# KiCad board Sydney-live-rail.kicad_pcb (continued)
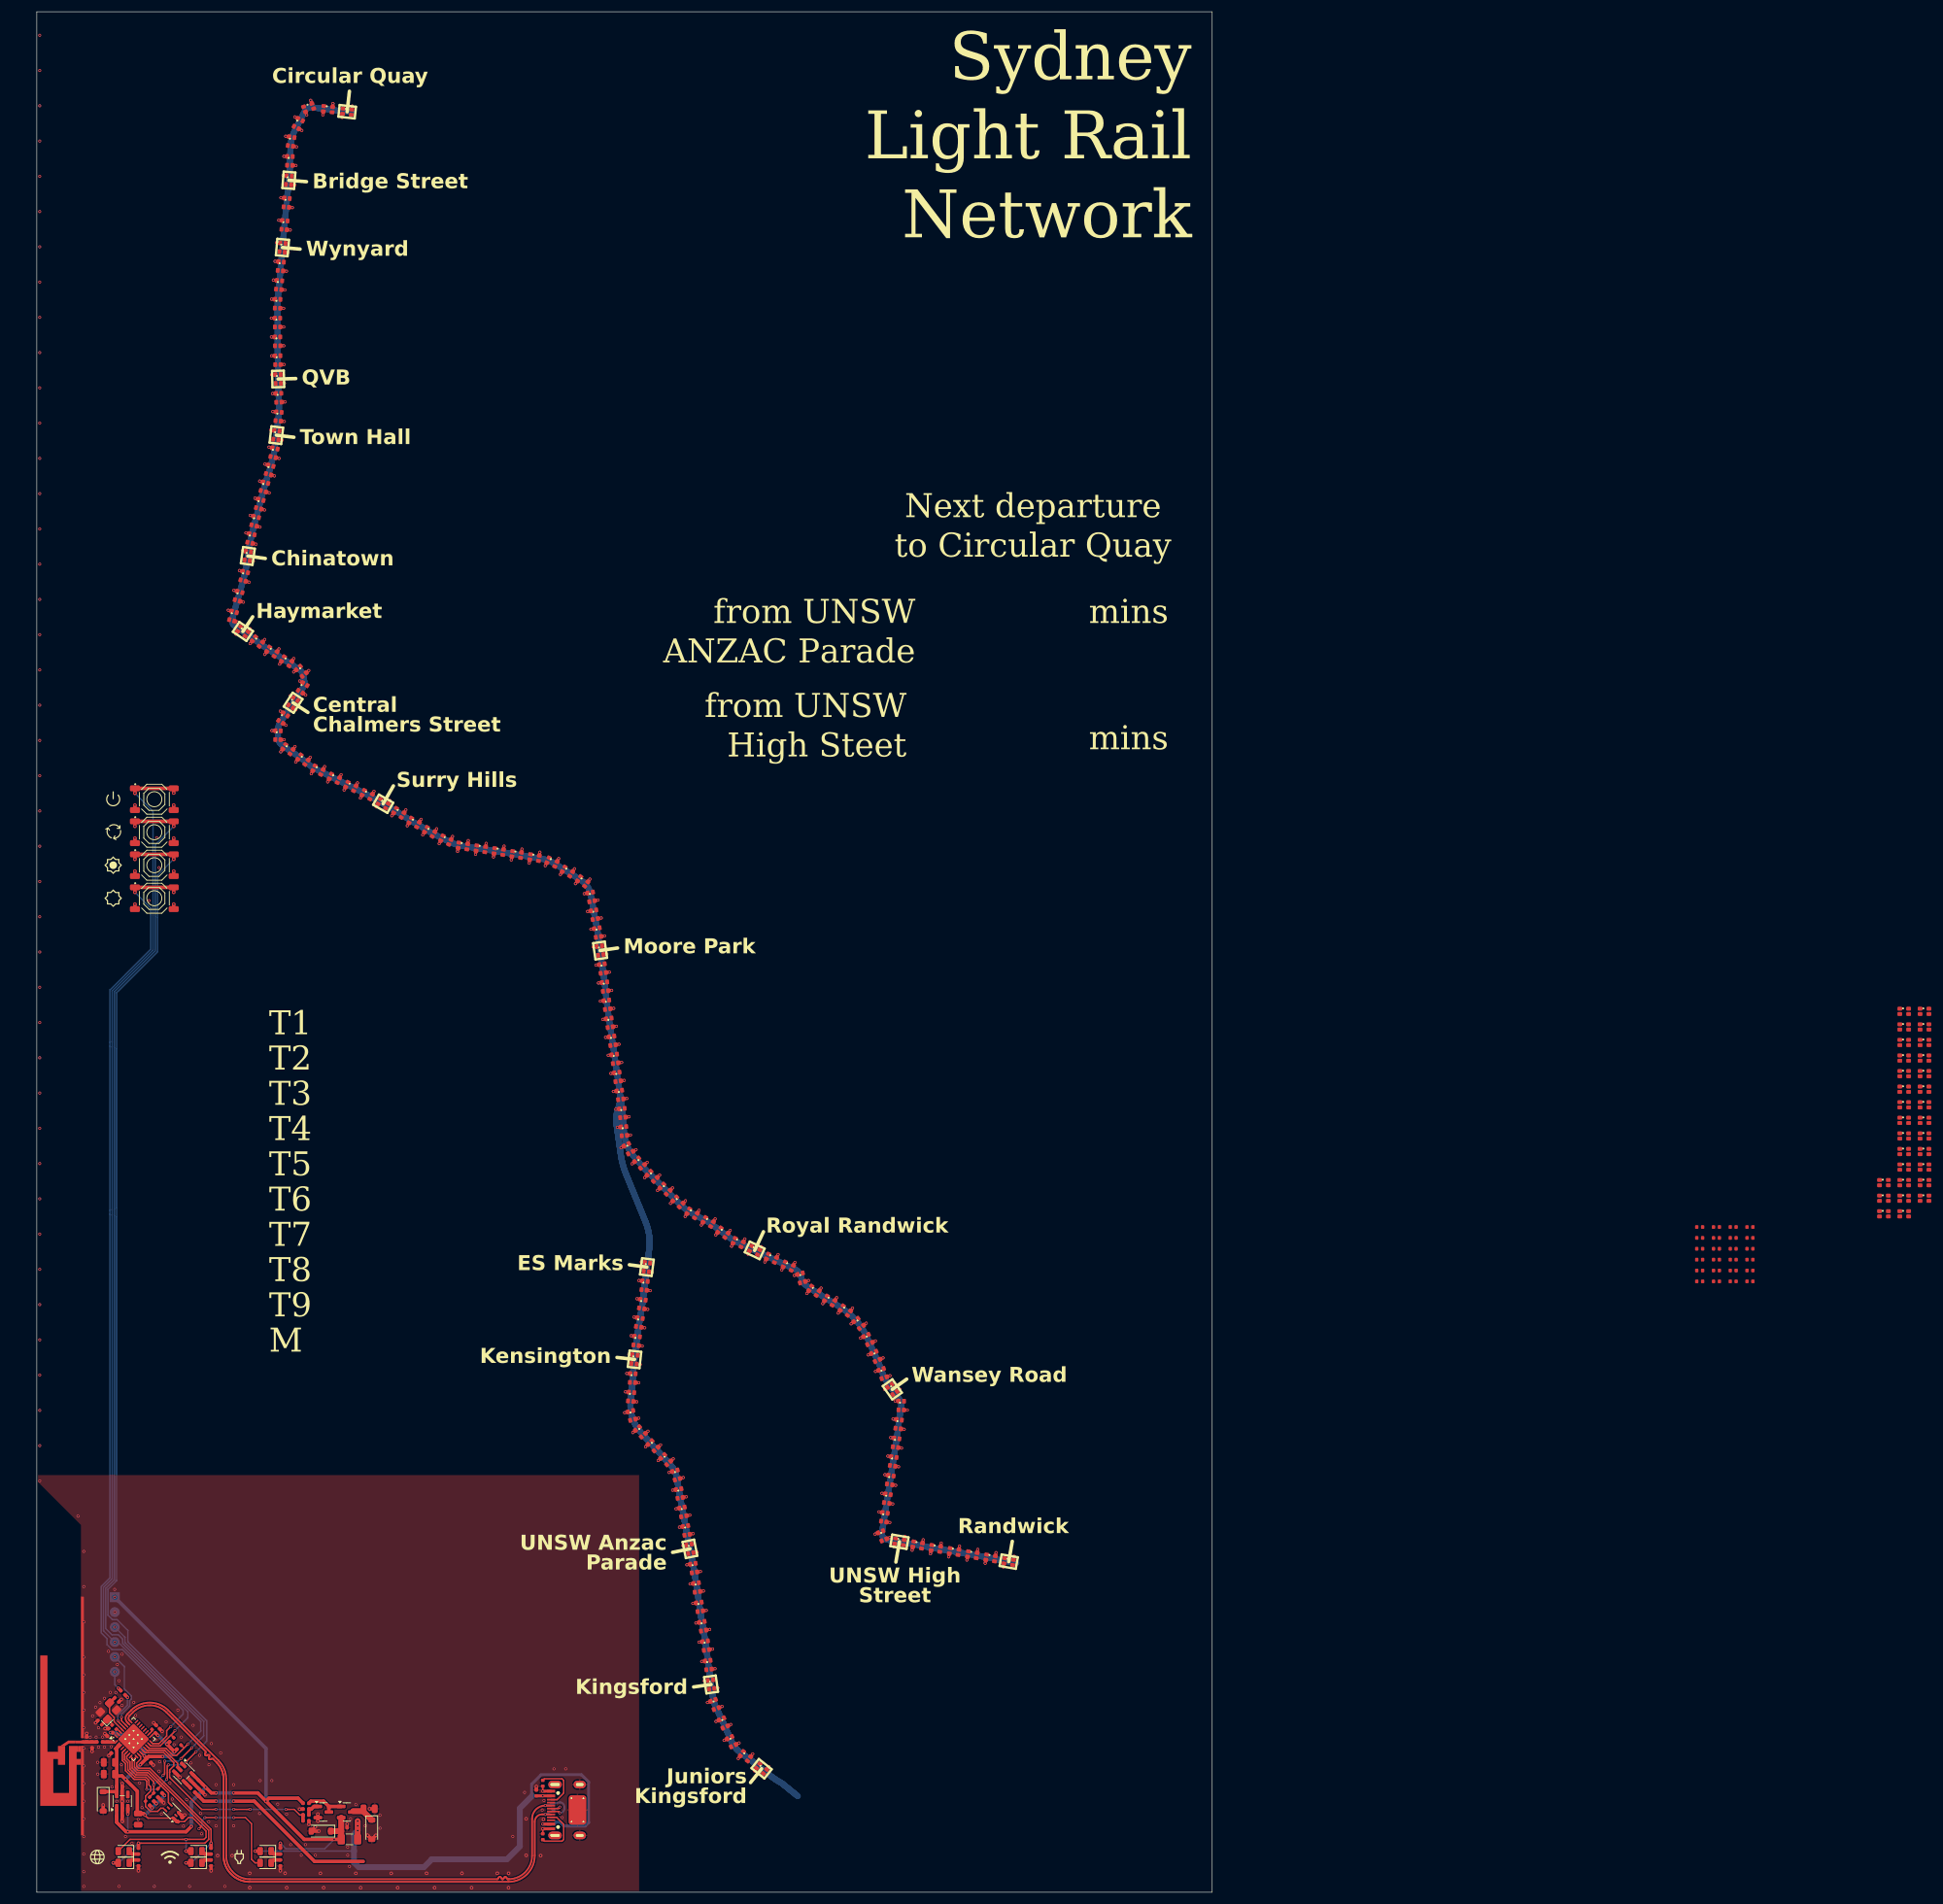
[diagram p0: board, top side]
## Placement (name value [footprint] x y rotation side) (continued)
D258  XL-1615RGBC-WS2812B-S  [LED-SMD_4P-L1.6-W1.5_XL-1615RGBC-WS2812B#3]  321.2 139.3 0 top
D259  XL-1615RGBC-WS2812B-S  [LED-SMD_4P-L1.6-W1.5_XL-1615RGBC-WS2812B#3]  321.2 136.65 0 top
D260  XL-1615RGBC-WS2812B-S  [LED-SMD_4P-L1.6-W1.5_XL-1615RGBC-WS2812B#3]  321.2 134 0 top
D261  XL-1615RGBC-WS2812B-S  [LED-SMD_4P-L1.6-W1.5_XL-1615RGBC-WS2812B#3]  321.2 131.35 0 top
D262  XL-1615RGBC-WS2812B-S  [LED-SMD_4P-L1.6-W1.5_XL-1615RGBC-WS2812B#3]  321.2 128.7 0 top
D263  XL-1615RGBC-WS2812B-S  [LED-SMD_4P-L1.6-W1.5_XL-1615RGBC-WS2812B#3]  321.2 126.05 0 top
D264  XL-1615RGBC-WS2812B-S  [LED-SMD_4P-L1.6-W1.5_XL-1615RGBC-WS2812B#3]  321.2 123.4 0 top
D265  XL-1615RGBC-WS2812B-S  [LED-SMD_4P-L1.6-W1.5_XL-1615RGBC-WS2812B#3]  321.2 120.75 0 top
D266  XL-1615RGBC-WS2812B-S  [LED-SMD_4P-L1.6-W1.5_XL-1615RGBC-WS2812B#3]  321.2 118.1 0 top
F1  Polyfuse, 2A  [Fuse_1206_3216Metric]  53.2 9 180 top
G***  LOGO  [Mode_Off_ON]  13 186 0 top
G***#2  LOGO  [Brightness_0]  13 169.15 0 top
G***#3  LOGO  [Brightness_7]  13 174.77 0 top
G***#4  -  [LOGO]  13.11 180.51 0 top
G***#5  LOGO  [Power]  34.44 6 0 top
G***#6  -  [LOGO]  10.3 6 0 top
G***#7  LOGO  [WiFi]  22.66 6 0 top
G***#8  -  [LOGO]  13.92 5.88 180 bottom
G***#9  -  [LOGO]  26.76 6 180 bottom
G***#10  LOGO  [Power]  89 14 180 bottom
G***#11  -  [LOGO]  66.89 5.92 180 bottom
G***#12  -  [LOGO]  92 14 0 bottom
G***#13  -  [LOGO]  38.56 6.19 180 bottom
J1  -  [Prog Connector]  13.27 50.2 0 top
L1  2.7nH  [L_0402]  10.7 25.57 180 top
L5  15nH,300mA  [L_0402]  13.17 28.1 315 top
Q1  HL3415A  [Q_SOT-23]  52.74 13.65 0 top
Q2  MMBT3904  [Q_SOT-23]  48.76 13.65 0 top
R1  10kΩ  [R_0402]  22.95 25.95 45 top
R2  10kΩ  [R_0402]  24.2 24.7 45 top
R3  10kΩ  [R_0402]  18.85 15.15 135 top
R4  5.1kΩ  [R_0402]  19.55 15.85 135 top
R5  10kΩ  [R_0402]  20.95 17.25 135 top
R7  510Ω  [R_0402]  14.65 33.95 315 top
R8  10kΩ  [R_0402]  17.3 7 270 top
R9  100kΩ  [R_0402]  41.44 5 270 top
R12  10kΩ  [R_0402]  41.44 7 90 top
R13  5.1kΩ  [R_0402]  86.1 9.45 90 top
R14  5.1kΩ  [R_0402]  86.1 18.55 270 top
R15  510Ω  [R_0402]  26.53 17.38 135 top
R16  100kΩ  [R_0402]  45.8 15.15 0 top
R17  10kΩ  [R_0402]  45.8 12.15 0 top
R18  510Ω  [R_0402]  45.8 13.15 0 top
R21  10kΩ  [R_0402]  29.66 7 270 top
R22  100kΩ  [R_0402]  17.3 5 270 top
R23  100kΩ  [R_0402]  29.66 5 270 top
R25  100kΩ  [R_0402]  27.91 16.7 45 top
S1  Tactile Button, 160gf  [SW-SMD_4P-L5.1-W5.1-P3.70-LS6.5-TL-2]  20 186 0 top
S2  Tactile Button, 160gf  [SW-SMD_4P-L5.1-W5.1-P3.70-LS6.5-TL-2]  20 174.77 0 top
S3  Tactile Button, 160gf  [SW-SMD_4P-L5.1-W5.1-P3.70-LS6.5-TL-2]  20 169.15 0 top
S4  Tactile Button, 160gf  [SW-SMD_4P-L5.1-W5.1-P3.70-LS6.5-TL-2]  20 180.38 0 top
U1  RT9080-33GJ5  [TSOT-23-5]  14.54 15.5 90 top
U2  ESP32-C3FH4  [QFN-32-1EP_5x5mm_P0.5mm_EP3.7x3.7mm_ThermalVias]  16.47 26.06 45 top
U3  LTR-303ALS-01  [Lite-On_LTR-303ALS-01]  23.04 13.71 135 top
U4  Connector, USB-TYPE-C-16P  [TYPE-C-SMD_HX-TYPE-C-16PIN]  90 14 90 top
U5  SN74LV1T34DBV  [SOT-23-5]  25.05 20.2 315 top
X1  40MHz, 15pF  [OSC-SMD_4P-L3.2-W2.5-BL_SIT8008BI]  12.2 30.83 45 top

## Library data of the parts
AE1 = -: Description: Antenna with extra pin for shielding
C1-C4 C6-C9 C11-C13 C16 C35 C100-C123 = -: Datasheet: https://www.lcsc.com/datasheet/lcsc_datasheet_2208231630_Samsung-Electro-Mechanics-CL05A106MQ5NUNC_C15525.pdf; Description: 6.3V 10uF X5R ±20% 0402 Multilayer Ceramic Capacitors MLCC - SMD/SMT ROHS; LCSC: C15525; Stock: 3940889; Price: 0.009USD; Process: SMT; Minimum Qty: 20; Attrition Qty: 10; Class: Basic Component; Category: Capacitors,Multilayer Ceramic Capacitors MLCC - SMD/SMT; Manufacturer: Samsung Electro-Mechanics; Part: CL05A106MQ5NUNC; Voltage Rated: 6.3V; Tolerance: ±20%; Temperature Coefficient: X5R; ki_fp_filters: C_*
C5 C15 C17 C18 = -: Datasheet: https://www.lcsc.com/datasheet/lcsc_datasheet_2304140030_Samsung-Electro-Mechanics-CL21A476MQYNNNE_C16780.pdf; Description: 6.3V 47uF X5R ±20% 0805 Multilayer Ceramic Capacitors MLCC - SMD/SMT ROHS; LCSC: C16780; Stock: 1584628; Price: 0.030USD; Process: SMT; Minimum Qty: 5; Attrition Qty: 6; Class: Basic Component; Category: Capacitors,Multilayer Ceramic Capacitors MLCC - SMD/SMT; Manufacturer: Samsung Electro-Mechanics; Part: CL21A476MQYNNNE; Voltage Rated: 6.3V; Tolerance: ±20%; Temperature Coefficient: X5R; ki_fp_filters: C_*
C14 = -: Datasheet: https://www.lcsc.com/datasheet/lcsc_datasheet_2208231630_Samsung-Electro-Mechanics-CL05A106MQ5NUNC_C15525.pdf; Description: 6.3V 10uF X5R ±20% 0402 Multilayer Ceramic Capacitors MLCC - SMD/SMT ROHS; LCSC: C15525; Price: 0.009USD; Class: Basic Component; Stock: 3940889; Category: Capacitors,Multilayer Ceramic Capacitors MLCC - SMD/SMT; Manufacturer: Samsung Electro-Mechanics; Voltage Rated: 6.3V; Tolerance: ±20%; Temperature Coefficient: X5R; Process: SMT; Minimum Qty: 20; Attrition Qty: 10; Part: CL05A106MQ5NUNC; ki_fp_filters: C_*
C19 C20 = -: Datasheet: https://www.lcsc.com/datasheet/lcsc_datasheet_2304140030_FH--Guangdong-Fenghua-Advanced-Tech-0402CG270J500NT_C1557.pdf; Description: 50V 27pF C0G ±5% 0402 Multilayer Ceramic Capacitors MLCC - SMD/SMT ROHS; LCSC: C1557; Stock: 63584; Price: 0.004USD; Process: SMT; Minimum Qty: 20; Attrition Qty: 10; Class: Preferred Component; Category: Capacitors,Multilayer Ceramic Capacitors MLCC - SMD/SMT; Manufacturer: FH(Guangdong Fenghua Advanced Tech); Part: 0402CG270J500NT; Voltage Rated: 50V; Tolerance: ±5%; Temperature Coefficient: C0G; ki_fp_filters: C_*
C36 C37 = -: Datasheet: https://www.lcsc.com/datasheet/lcsc_datasheet_2304140030_FH--Guangdong-Fenghua-Advanced-Tech-0402CG1R5C500NT_C1552.pdf; Description: 50V 1.5pF C0G 0402 Multilayer Ceramic Capacitors MLCC - SMD/SMT ROHS; LCSC: C1552; Stock: 87496; Price: 0.004USD; Process: SMT; Minimum Qty: 20; Attrition Qty: 10; Class: Preferred Component; Category: Capacitors,Multilayer Ceramic Capacitors MLCC - SMD/SMT; Manufacturer: FH(Guangdong Fenghua Advanced Tech); Part: 0402CG1R5C500NT; Voltage Rated: 50V; Temperature Coefficient: C0G; ki_fp_filters: C_*
D1 = -: Datasheet: https://wmsc.lcsc.com/wmsc/upload/file/pdf/v2/lcsc/2405091603_hongjiacheng-MMSZ5227B_C22395553.pdf; Description: Independent Type 3.42V~3.78V 500mW 3.6V SOD-123 Zener Diodes ROHS; LCSC: C22395553; Stock: 8463; Price: 0.021USD; Process: SMT; Minimum Qty: 15; Attrition Qty: 4; Class: Preferred Component; Category: Diodes,Zener Diodes; Manufacturer: hongjiacheng; ki_fp_filters: D_*
D2 = -: Datasheet: https://www.lcsc.com/datasheet/lcsc_datasheet_2304140030_Foshan-NationStar-Optoelectronics-NCD0805R1_C84256.pdf; Description: 25mA Colorless transparent lens 67mcd~195mcd -30°C~+85°C 615nm~630nm Individual diode Red 130° 65mW 1.6V~2.6V 0805 LED Indication - Discrete ROHS; LCSC: C84256; Price: 0.016USD; Class: Basic Component; Stock: 3045161; Category: Optoelectronics,Light Emitting Diodes (LED); Manufacturer: Foshan NationStar Optoelectronics; Process: SMT; Minimum Qty: 20; Attrition Qty: 6; Part: NCD0805R1; Operating Temperature: -30°C~+85°C; Viewing Angle: 130°; Forward Current: 25mA; Forward Voltage (VF): 1.6V~2.6V; Luminous Intensity: 67mcd~195mcd; Dominant Wavelength: 615nm~630nm; Power Dissipation: 65mW; Diode Configuration: Independent Diode; Lens Color: Colorless Transparent Lens; ki_fp_filters: D_*
D4 D5 = -: Datasheet: https://wmsc.lcsc.com/wmsc/upload/file/pdf/v2/lcsc/2405210914_hongjiacheng-MM1W5V6_C22435086.pdf; Description: Independent Type 5.32V~5.92V 1W 5.6V SOD-123 Zener Diodes ROHS; LCSC: C22435086; Stock: 7801; Price: 0.037USD; Process: SMT; Minimum Qty: 5; Attrition Qty: 4; Class: Preferred Component; Category: Diodes,Zener Diodes; Manufacturer: hongjiacheng; ki_fp_filters: D_*
D8 D9 D12 = -: Datasheet: https://www.lcsc.com/datasheet/lcsc_datasheet_1806151820_Hubei-KENTO-Elec-KT-0805G_C2297.pdf; Description: Emerald 0805 LED Indication - Discrete ROHS; LCSC: C2297; Stock: 769221; Price: 0.014USD; Process: SMT; Minimum Qty: 20; Attrition Qty: 6; Class: Basic Component; Category: Optoelectronics,Light Emitting Diodes (LED); Manufacturer: Hubei KENTO Elec; Part: KT-0805G; Emitted Color: Emerald; ki_fp_filters: D_*
D10 D11 = -: Datasheet: https://www.lcsc.com/datasheet/lcsc_datasheet_2304140030_Foshan-NationStar-Optoelectronics-NCD0805R1_C84256.pdf; Description: 25mA Colorless transparent lens 67mcd~195mcd -30°C~+85°C 615nm~630nm Individual diode Red 130° 65mW 1.6V~2.6V 0805 LED Indication - Discrete ROHS; LCSC: C84256; Stock: 3045161; Price: 0.016USD; Process: SMT; Minimum Qty: 20; Attrition Qty: 6; Class: Basic Component; Category: Optoelectronics,Light Emitting Diodes (LED); Manufacturer: Foshan NationStar Optoelectronics; Part: NCD0805R1; Operating Temperature: -30°C~+85°C; Viewing Angle: 130°; Forward Current: 25mA; Forward Voltage (VF): 1.6V~2.6V; Luminous Intensity: 67mcd~195mcd; Dominant Wavelength: 615nm~630nm; Power Dissipation: 65mW; Diode Configuration: Independent Diode; Lens Color: Colorless Transparent Lens; ki_fp_filters: D_*
D13 = -: Datasheet: https://wmsc.lcsc.com/wmsc/upload/file/pdf/v2/lcsc/2401261524_hongjiacheng-H3V3U10B_C20615782.pdf; Description: 5A 25V 125W 9V Bidirectional 3.3V DFN1006-2L ESD and Surge Protection (TVS/ESD) ROHS; LCSC: C20615782; Stock: 17210; Price: 0.030USD; Process: SMT; Minimum Qty: 20; Attrition Qty: 8; Class: Preferred Component; Category: TVS/Fuse/Board Level Protection,Electrostatic And Surge Protection (TVS/ESD); Manufacturer: hongjiacheng; Capacitance: 0.25pF - 0.3pF; ki_fp_filters: D_*
D100-D266 = -: Datasheet: https://atta.szlcsc.com/upload/public/pdf/source/20230111/5AD58278EBED6B6650A81C53A19BF314.pdf; Description: 1615 RGB LEDs(Built-in IC) ROHS
F1 = -: Description: 6V 2A 100A 4A 1206 Resettable Fuses ROHS; Manufacturer: BORN; Part: SMD1206-200/06N; LCSC: C6165195; Process: SMT; ki_fp_filters: *polyfuse* *PTC*
J1 = -: Description: Generic connector, single row, 01x06, script generated; ki_fp_filters: Connector*:*_1x??_*
L1 = -: Datasheet: https://jlcpcb.com/api/file/downloadByFileSystemAccessId/8586175523819573248; Description: 800mA 2.7nH 120mΩ 0402 Inductors (SMD) ROHS; LCSC: C77108; Manufacturer: Murata Electronics; Part: LQG15HS2N7S02D; Process: SMT; ki_fp_filters: L_*
L5 = -: Datasheet: https://www.lcsc.com/datasheet/lcsc_datasheet_2310301641_Sunlord-SDCL1005C15NJTDF_C27143.pdf; Description: 8@100MHz ±5% 0402 Inductors (SMD); LCSC: C27143; Stock: 36806; Price: 0.007USD; Process: SMT; Minimum Qty: 20; Attrition Qty: 10; Class: Preferred Component; Category: Inductors/Coils/Transformers,Inductors (SMD); Manufacturer: Sunlord; Part: SDCL1005C15NJTDF; Inductance: 15nH; Q @ Freq: 8@100MHz; Frequency - Self Resonant: 2.3GHz; Tolerance: ±5%; Rated Current: 300mA; DC Resistance (DCR): 500mΩ; ki_fp_filters: L_*
Q1 = -: Datasheet: https://wmsc.lcsc.com/wmsc/upload/file/pdf/v2/lcsc/2407121622_hongjiacheng-HL3415A_C28646270.pdf; Description: 20V 5.6A 42mΩ@4.5V,5A 1.3W 620mV@250uA 1 Piece P-Channel SOT-23 MOSFETs ROHS; LCSC: C28646270; Stock: 17391; Price: 0.040USD; Process: SMT; Minimum Qty: 5; Attrition Qty: 4; Class: Preferred Component; Category: Transistors/Thyristors,MOSFETs; Manufacturer: hongjiacheng; ki_fp_filters: Q_*
Q2 = -: Datasheet: https://wmsc.lcsc.com/wmsc/upload/file/pdf/v2/lcsc/2312221203_hongjiacheng-MMBT3904_C7420353.pdf; Description: 40V 200mW 100@10mA,1.0V 200mA NPN SOT-23 Bipolar (BJT) ROHS; LCSC: C7420353; Stock: 874278; Price: 0.012USD; Process: SMT; Minimum Qty: 10; Attrition Qty: 5; Class: Preferred Component; Category: Triode/MOS Tube/Transistor,Bipolar Transistors - BJT; Manufacturer: hongjiacheng; Transition Frequency (fT): 300MHz; Operating Temperature: -55°C~+150°C; Collector Cut-Off Current (Icbo): 0.1uA; Transistor Type: NPN; DC Current Gain (hFE@Ic,Vce): 100@10mA,1.0V; Power Dissipation (Pd): null; Collector Current (Ic): null; Collector-Emitter Saturation Voltage (VCE(sat)@Ic,Ib): 0.3V@50mA,5.0mA; Collector-Emitter Breakdown Voltage (Vceo): null; ki_fp_filters: Q_*
R1-R3 R5 = -: Datasheet: https://www.lcsc.com/datasheet/lcsc_datasheet_2411221126_UNI-ROYAL-Uniroyal-Elec-0402WGF1002TCE_C25744.pdf; Description: 62.5mW Thick Film Resistors 50V ±100ppm/°C ±1% 10kΩ 0402 Chip Resistor - Surface Mount ROHS; LCSC: C25744; Price: 0.004USD; Class: Basic Component; Stock: 14335141; Category: Resistors,Chip Resistor - Surface Mount; Manufacturer: UNI-ROYAL(Uniroyal Elec); Power(Watts): 62.5mW; Type: Thick Film Resistors; Overload Voltage (Max): 50V; Operating Temperature Range: -55°C~+155°C; Tolerance: ±1%; Temperature Coefficient: ±100ppm/°C; Process: SMT; Minimum Qty: 5; Attrition Qty: 0; Part: 0402WGF1002TCE; ki_fp_filters: R_*
R4 = -: Datasheet: https://www.lcsc.com/datasheet/lcsc_datasheet_2206010045_UNI-ROYAL-Uniroyal-Elec-0402WGF5101TCE_C25905.pdf; Description: 62.5mW Thick Film Resistors 50V ±100ppm/°C ±1% 5.1kΩ 0402 Chip Resistor - Surface Mount ROHS; LCSC: C25905; Price: 0.004USD; Class: Basic Component; Stock: 3534773; Category: Resistors,Chip Resistor - Surface Mount; Manufacturer: UNI-ROYAL(Uniroyal Elec); Power(Watts): 62.5mW; Type: Thick Film Resistors; Overload Voltage (Max): 50V; Operating Temperature Range: -55°C~+155°C; Tolerance: ±1%; Temperature Coefficient: ±100ppm/°C; Process: SMT; Minimum Qty: 20; Attrition Qty: 10; Part: 0402WGF5101TCE; ki_fp_filters: R_*
R7 = -: Datasheet: https://www.lcsc.com/datasheet/lcsc_datasheet_2205311900_UNI-ROYAL-Uniroyal-Elec-0402WGF5100TCE_C25123.pdf; Description: 62.5mW Thick Film Resistors 50V ±100ppm/°C ±1% 510Ω 0402 Chip Resistor - Surface Mount ROHS; LCSC: C25123; Stock: 910291; Price: 0.004USD; Process: SMT; Minimum Qty: 20; Attrition Qty: 10; Class: Basic Component; Category: Resistors,Chip Resistor - Surface Mount; Manufacturer: UNI-ROYAL(Uniroyal Elec); Part: 0402WGF5100TCE; Power(Watts): 62.5mW; Type: Thick Film Resistors; Overload Voltage (Max): 50V; Operating Temperature Range: -55°C~+155°C; Tolerance: ±1%; Temperature Coefficient: ±100ppm/°C; ki_fp_filters: R_*
R8 R21 = -: Datasheet: https://www.lcsc.com/datasheet/lcsc_datasheet_2411221126_UNI-ROYAL-Uniroyal-Elec-0402WGF1002TCE_C25744.pdf; Description: 62.5mW Thick Film Resistors 50V ±100ppm/°C ±1% 10kΩ 0402 Chip Resistor - Surface Mount ROHS; LCSC: C25744; Stock: 18633144; Price: 0.004USD; Process: SMT; Minimum Qty: 5; Attrition Qty: 10; Class: Basic Component; Category: Resistors,Chip Resistor - Surface Mount; Manufacturer: UNI-ROYAL(Uniroyal Elec); Part: 0402WGF1002TCE; Power(Watts): 62.5mW; Type: Thick Film Resistors; Overload Voltage (Max): 50V; Operating Temperature Range: -55°C~+155°C; Tolerance: ±1%; Temperature Coefficient: ±100ppm/°C; ki_fp_filters: R_*
R9 R22 R23 = -: Datasheet: https://www.lcsc.com/datasheet/lcsc_datasheet_2206010100_UNI-ROYAL-Uniroyal-Elec-0402WGF1003TCE_C25741.pdf; Description: 62.5mW Thick Film Resistors 50V ±100ppm/°C ±1% 100kΩ 0402 Chip Resistor - Surface Mount ROHS; LCSC: C25741; Stock: 4111720; Price: 0.004USD; Process: SMT; Minimum Qty: 20; Attrition Qty: 10; Class: Basic Component; Category: Resistors,Chip Resistor - Surface Mount; Manufacturer: UNI-ROYAL(Uniroyal Elec); Part: 0402WGF1003TCE; Power(Watts): 62.5mW; Type: Thick Film Resistors; Overload Voltage (Max): 50V; Operating Temperature Range: -55°C~+155°C; Tolerance: ±1%; Temperature Coefficient: ±100ppm/°C; ki_fp_filters: R_*
R12 = -: Datasheet: https://www.lcsc.com/datasheet/lcsc_datasheet_2411221126_UNI-ROYAL-Uniroyal-Elec-0402WGF1002TCE_C25744.pdf; Description: 62.5mW Thick Film Resistors 50V ±100ppm/°C ±1% 10kΩ 0402 Chip Resistor - Surface Mount ROHS; LCSC: C25744; Price: 0.004USD; Class: Basic Component; Stock: 18633144; Category: Resistors,Chip Resistor - Surface Mount; Manufacturer: UNI-ROYAL(Uniroyal Elec); Power(Watts): 62.5mW; Type: Thick Film Resistors; Overload Voltage (Max): 50V; Operating Temperature Range: -55°C~+155°C; Tolerance: ±1%; Temperature Coefficient: ±100ppm/°C; Process: SMT; Minimum Qty: 5; Attrition Qty: 10; Part: 0402WGF1002TCE; ki_fp_filters: R_*
R13 R14 = -: Datasheet: https://www.lcsc.com/datasheet/lcsc_datasheet_2206010045_UNI-ROYAL-Uniroyal-Elec-0402WGF5101TCE_C25905.pdf; Description: 62.5mW Thick Film Resistors 50V ±100ppm/°C ±1% 5.1kΩ 0402 Chip Resistor - Surface Mount ROHS; LCSC: C25905; Price: 0.004USD; Class: Basic Component; Stock: 3549665; Category: Resistors,Chip Resistor - Surface Mount; Manufacturer: UNI-ROYAL(Uniroyal Elec); Power(Watts): 62.5mW; Type: Thick Film Resistors; Overload Voltage (Max): 50V; Operating Temperature Range: -55°C~+155°C; Tolerance: ±1%; Temperature Coefficient: ±100ppm/°C; Process: SMT; Minimum Qty: 20; Attrition Qty: 10; Part: 0402WGF5101TCE; ki_fp_filters: R_*
R15 = -: Datasheet: https://www.lcsc.com/datasheet/lcsc_datasheet_2205311900_UNI-ROYAL-Uniroyal-Elec-0402WGF5100TCE_C25123.pdf; Description: 62.5mW Thick Film Resistors 50V ±100ppm/°C ±1% 510Ω 0402 Chip Resistor - Surface Mount ROHS; LCSC: C25123; Stock: 2434473; Price: 0.004USD; Process: SMT; Minimum Qty: 20; Attrition Qty: 12; Class: Basic Component; Category: Resistors,Chip Resistor - Surface Mount; Manufacturer: UNI-ROYAL(Uniroyal Elec); Part: 0402WGF5100TCE; Power(Watts): 62.5mW; Type: Thick Film Resistors; Overload Voltage (Max): 50V; Operating Temperature Range: -55°C~+155°C; Tolerance: ±1%; Temperature Coefficient: ±100ppm/°C; ki_fp_filters: R_*
R16 R25 = -: Datasheet: https://www.lcsc.com/datasheet/lcsc_datasheet_2206010100_UNI-ROYAL-Uniroyal-Elec-0402WGF1003TCE_C25741.pdf; Description: 62.5mW Thick Film Resistors 50V ±100ppm/°C ±1% 100kΩ 0402 Chip Resistor - Surface Mount ROHS; LCSC: C25741; Price: 0.004USD; Class: Basic Component; Stock: 6150463; Category: Resistors,Chip Resistor - Surface Mount; Manufacturer: UNI-ROYAL(Uniroyal Elec); Power(Watts): 62.5mW; Type: Thick Film Resistors; Overload Voltage (Max): 50V; Operating Temperature Range: -55°C~+155°C; Tolerance: ±1%; Temperature Coefficient: ±100ppm/°C; Process: SMT; Minimum Qty: 20; Attrition Qty: 10; Part: 0402WGF1003TCE; ki_fp_filters: R_*
R17 = -: Datasheet: https://www.lcsc.com/datasheet/lcsc_datasheet_2411221126_UNI-ROYAL-Uniroyal-Elec-0402WGF1002TCE_C25744.pdf; Description: 62.5mW Thick Film Resistors 50V ±100ppm/°C ±1% 10kΩ 0402 Chip Resistor - Surface Mount ROHS; LCSC: C25744; Stock: 14335141; Price: 0.004USD; Process: SMT; Minimum Qty: 5; Attrition Qty: 0; Class: Basic Component; Category: Resistors,Chip Resistor - Surface Mount; Manufacturer: UNI-ROYAL(Uniroyal Elec); Part: 0402WGF1002TCE; Power(Watts): 62.5mW; Type: Thick Film Resistors; Overload Voltage (Max): 50V; Operating Temperature Range: -55°C~+155°C; Tolerance: ±1%; Temperature Coefficient: ±100ppm/°C; ki_fp_filters: R_*
R18 = -: Datasheet: https://www.lcsc.com/datasheet/lcsc_datasheet_2205311900_UNI-ROYAL-Uniroyal-Elec-0402WGF5100TCE_C25123.pdf; Description: 62.5mW Thick Film Resistors 50V ±100ppm/°C ±1% 510Ω 0402 Chip Resistor - Surface Mount ROHS; LCSC: C25123; Stock: 1084943; Price: 0.004USD; Process: SMT; Minimum Qty: 20; Attrition Qty: 12; Class: Basic Component; Category: Resistors,Chip Resistor - Surface Mount; Manufacturer: UNI-ROYAL(Uniroyal Elec); Part: 0402WGF5100TCE; Power(Watts): 62.5mW; Type: Thick Film Resistors; Overload Voltage (Max): 50V; Operating Temperature Range: -55°C~+155°C; Tolerance: ±1%; Temperature Coefficient: ±100ppm/°C; ki_fp_filters: R_*
S1-S4 = -: Datasheet: https://www.lcsc.com/datasheet/lcsc_datasheet_2304140030_XKB-Connection-TS-1187A-B-A-B_C318884.pdf; Description: None Without 50mA 5.1mm 100000 Times 160gf 12V 5.1mm 1.5mm Round Button Standing paste SPST SMD Tactile Switches ROHS; LCSC: C318884; Stock: 371396; Price: 0.025USD; Process: SMT; Minimum Qty: 10; Attrition Qty: 5; Class: Basic Component; Category: Switches,Tactile Switches; Manufacturer: XKB Connectivity; Part: TS-1187A-B-A-B; Switch Length: 5.1mm; Voltage Rating (Dc): 12V; With Lamp: No; Operating Force: 160gf; Actuator/Cap Color: Golden; Mechanical Life: 100000 Times; Strike Gundam: NO; Circuit: SPST; Switch Height: 1.5mm; Actuator Style: Round Button; Switch Width: 5.1mm; Contact Current: 50mA; Operating Temperature: -30°C~+85°C; Mounting Style: Brick nogging
U1 = -: Datasheet: https://jlcpcb.com/api/file/downloadByFileSystemAccessId/8588893292896899072; Description: -40℃~+125℃@(Tj) 1 2uA 3.3V 360mV@(600mA) 42uVrms 5.5V 600mA 75dB@(1kHz) Fixed Over Current Protection Positive TSOT-23-5 Voltage Regulators - Linear, Low Drop Out (LDO) Regulators ROHS; LCSC: C841192; Price: 0.11USD; Process: SMT; Manufacturer: Richtek Tech
U2 = -: Datasheet: https://www.espressif.com/sites/default/files/documentation/esp32-c3_datasheet_en.pdf; Description: RF Module, ESP32 SoC, RISC-V, WiFi 802.11b/n/g, Bluetooth LE 5, QFN32; LCSC: C2858491; Manufacturer: Espressif Systems; Process: SMT; ki_fp_filters: QFN*1EP*5x5mm*P0.5mm*EP3.7x3.7mm*
U3 = -: Datasheet: https://optoelectronics.liteon.com/upload/download/DS86-2013-0004/LTR-303ALS-01_DS_V1.pdf; Description: ambient light sensor, i2c interface, 0.01 to 64k lux, 2.4-3.6V; LCSC: C364577; Manufacturer: Lite-On; ki_fp_filters: Lite*On*LTR*303ALS*01*
U4 = -: Datasheet: https://atta.szlcsc.com/upload/public/pdf/source/20220920/0EF8F885FCCEA71F60E9E85152155021.pdf; Description: 3A 1 Horizontal attachment 16P Female -25℃~+85℃ Type-C SMD USB Connectors ROHS; LCSC: C2927039; Manufacturer: DEALON; Part: USB-TYPE-C-019; Process: SMT
U5 = -: Datasheet: https://www.ti.com/lit/ds/symlink/sn74lv1t34.pdf; Description: Single Power Supply, Single Buffer GATE, CMOS Logic, Level Shifter, SOT-23-5; LCSC: C100024; Manufacturer: Texas Instruments; Part: SN74LV1T34DBVR; ki_fp_filters: SOT?23*
X1 = -: Datasheet: https://www.lcsc.com/datasheet/lcsc_datasheet_2403291504_YXC-Crystal-Oscillators-X322540MPB4SI_C9010.pdf; Description: 40MHz Surface Mount Crystal 15pF ±10ppm ±20ppm SMD3225-4P Crystals ROHS; LCSC: C9010; Part: X322540MPB4SI; Manufacturer: YXC Crystal Oscillators; Process: SMT

## Footprints (pads in the part's own frame, mm; a bottom-side part is the same pattern mirrored in y, then rotated)
C_0402
  rrect 0.56x0.62 smd: 1(-0.5,0) 2(0.5,0)
C_0805
  rrect 1x1.45 smd: 1(-0.95,0) 2(0.95,0)
D_0805
  rrect 0.97x1.4 smd: 1(-0.94,0) 2(0.94,0)
D_DFN1006-2L
  rect 0.5x0.6 smd: 1(-0.4,0) 2(0.4,0)
D_SOD-123
  rrect 0.9x1.2 smd: 1(-1.65,0) 2(1.65,0)
Fuse_1206_3216Metric
  rrect 1.25x1.75 smd: 1(-1.4,0) 2(1.4,0)
Inverted_F_Antenna_2.4Ghz_1.0mmPCB_TI_CC2430DB.pretty
  rect 0.46x1.41 smd: 1(10.86,-6.705)
  rect 15.18x0.5 smd: 2(2.59,-7.16)
  rect 1x0.5 smd: 2(9.68,-6.66)
  rect 24.04x0.5 smd: 2(23.56,-7.16)
L_0402
  rrect 0.56x0.62 smd: 1(-0.5,0) 2(0.5,0)
LED-SMD_4P-L1.6-W1.5_XL-1615RGBC-WS2812B
  rrect 0.8x0.65 smd: 1(-0.75,0.45) 2(0.75,0.45) 3(-0.75,-0.45) 4(0.75,-0.45)
LED-SMD_4P-L1.6-W1.5_XL-1615RGBC-WS2812B#2
  rrect 0.8x0.65 smd: 1(-0.75,0.45) 2(0.75,0.45) 3(-0.75,-0.45) 4(0.75,-0.45)
LED-SMD_4P-L1.6-W1.5_XL-1615RGBC-WS2812B#3
  rrect 0.8x0.65 smd: 1(-0.75,0.45) 2(0.75,0.45) 3(-0.75,-0.45) 4(0.75,-0.45)
LED-SMD_4P-L1.6-W1.5_XL-1615RGBC-WS2812B#4
  rrect 0.8x0.65 smd: 1(-0.75,0.45) 2(0.75,0.45) 3(-0.75,-0.45) 4(0.75,-0.45)
LED-SMD_4P-L1.6-W1.5_XL-1615RGBC-WS2812B#5
  rrect 0.8x0.65 smd: 1(-0.75,0.45) 2(0.75,0.45) 3(-0.75,-0.45) 4(0.75,-0.45)
LED-SMD_4P-L1.6-W1.5_XL-1615RGBC-WS2812B#6
  rrect 0.8x0.65 smd: 1(-0.75,0.45) 2(0.75,0.45) 3(-0.75,-0.45) 4(0.75,-0.45)
LED-SMD_4P-L1.6-W1.5_XL-1615RGBC-WS2812B#7
  rrect 0.8x0.65 smd: 1(-0.75,0.45) 2(0.75,0.45) 3(-0.75,-0.45) 4(0.75,-0.45)
LED-SMD_4P-L1.6-W1.5_XL-1615RGBC-WS2812B#8
  rrect 0.8x0.65 smd: 1(-0.75,0.45) 2(0.75,0.45) 3(-0.75,-0.45) 4(0.75,-0.45)
LED-SMD_4P-L1.6-W1.5_XL-1615RGBC-WS2812B#9
  rrect 0.8x0.65 smd: 1(-0.75,0.45) 2(0.75,0.45) 3(-0.75,-0.45) 4(0.75,-0.45)
LED-SMD_4P-L1.6-W1.5_XL-1615RGBC-WS2812B#10
  rrect 0.8x0.65 smd: 1(-0.75,0.45) 2(0.75,0.45) 3(-0.75,-0.45) 4(0.75,-0.45)
LED-SMD_4P-L1.6-W1.5_XL-1615RGBC-WS2812B#11
  rrect 0.8x0.65 smd: 1(-0.75,0.45) 2(0.75,0.45) 3(-0.75,-0.45) 4(0.75,-0.45)
LED-SMD_4P-L1.6-W1.5_XL-1615RGBC-WS2812B#12
  rrect 0.8x0.65 smd: 1(-0.75,0.45) 2(0.75,0.45) 3(-0.75,-0.45) 4(0.75,-0.45)
LED-SMD_4P-L1.6-W1.5_XL-1615RGBC-WS2812B#13
  rrect 0.8x0.65 smd: 1(-0.75,0.45) 2(0.75,0.45) 3(-0.75,-0.45) 4(0.75,-0.45)
LED-SMD_4P-L1.6-W1.5_XL-1615RGBC-WS2812B#14
  rrect 0.8x0.65 smd: 1(-0.75,0.45) 2(0.75,0.45) 3(-0.75,-0.45) 4(0.75,-0.45)
LED-SMD_4P-L1.6-W1.5_XL-1615RGBC-WS2812B#15
  rrect 0.8x0.65 smd: 1(-0.75,0.45) 2(0.75,0.45) 3(-0.75,-0.45) 4(0.75,-0.45)
LED-SMD_4P-L1.6-W1.5_XL-1615RGBC-WS2812B#16
  rrect 0.8x0.65 smd: 1(-0.75,0.45) 2(0.75,0.45) 3(-0.75,-0.45) 4(0.75,-0.45)
Lite-On_LTR-303ALS-01
  rrect 0.65x0.3 smd: 1(-0.9,0.65) 2(-0.9,0) 3(-0.9,-0.65) 4(0.9,-0.65) 5(0.9,0) 6(0.9,0.65)
OSC-SMD_4P-L3.2-W2.5-BL_SIT8008BI
  rrect 1.4x1.2 smd: 1(-1.1,-0.85) 2(1.1,-0.85) 3(1.1,0.85) 4(-1.1,0.85)
Prog Connector
  rect 1.7x1.7 smd far side: 1(0,0)
  round 1.7 smd far side: 2(0,-2.54) 3(0,-5.08) 4(0,-7.62) 5(0,-10.16) 6(0,-12.7)
Q_SOT-23
  rrect 1.48x0.6 smd: 1(-0.94,0.95) 2(-0.94,-0.95) 3(0.94,0)
QFN-32-1EP_5x5mm_P0.5mm_EP3.7x3.7mm_ThermalVias
  custom 0.687x0.687 smd: (-1.43,1.43) (-1.43,-1.43) (1.43,1.43) (1.43,-1.43)
  custom 0.687x0.807 smd: (-1.43,0.5) (-1.43,-0.5) (1.43,0.5) (1.43,-0.5)
  custom 0.807x0.687 smd: (-0.5,1.43) (-0.5,-1.43) (0.5,1.43) (0.5,-1.43)
  rrect 0.81x0.81 smd: (-0.5,0.5) (-0.5,-0.5) (0.5,0.5) (0.5,-0.5)
  rrect 0.8x0.25 smd: 1(-2.45,1.75) 2(-2.45,1.25) 3(-2.45,0.75) 4(-2.45,0.25) 5(-2.45,-0.25) 6(-2.45,-0.75) 7(-2.45,-1.25) 8(-2.45,-1.75) 17(2.45,-1.75) 18(2.45,-1.25) 19(2.45,-0.75) 20(2.45,-0.25) 21(2.45,0.25) 22(2.45,0.75) 23(2.45,1.25) 24(2.45,1.75)
  rrect 0.25x0.8 smd: 9(-1.75,-2.45) 10(-1.25,-2.45) 11(-0.75,-2.45) 12(-0.25,-2.45) 13(0.25,-2.45) 14(0.75,-2.45) 15(1.25,-2.45) 16(1.75,-2.45) 25(1.75,2.45) 26(1.25,2.45) 27(0.75,2.45) 28(0.25,2.45) 29(-0.25,2.45) 30(-0.75,2.45) 31(-1.25,2.45) 32(-1.75,2.45)
  round 0.5 hole 0.3: 33(-1,1) 33(-1,0) 33(-1,-1) 33(0,1) 33(0,0) 33(0,-1) 33(1,1) 33(1,0) 33(1,-1)
  rrect 2.5x2.5 smd far side: 33(0,0)
  rrect 3.8x3.8 smd: 33(0,0)
R_0402
  rrect 0.56x0.62 smd: 1(-0.5,0) 2(0.5,0)
SOT-23-5
  rrect 1.325x0.6 smd: 1(-1.137,0.95) 2(-1.137,0) 3(-1.137,-0.95) 4(1.137,-0.95) 5(1.137,0.95)
SW-SMD_4P-L5.1-W5.1-P3.70-LS6.5-TL-2
  rrect 1.7x1 smd: 1(-3.3,1.85) 2(3.3,1.85) 3(-3.3,-1.85) 4(3.3,-1.85)
TSOT-23-5
  rrect 1.325x0.6 smd: 1(-1.137,0.95) 2(-1.137,0) 3(-1.137,-0.95) 4(1.137,-0.95) 5(1.137,0.95)
TYPE-C-SMD_HX-TYPE-C-16PIN
  round 0.6 hole 0.6 unplated: (-2.89,1.3) (2.89,1.3)
  rect 0.3x1.4 smd: A5(-1.25,2.5) A6(-0.25,2.5) A7(0.25,2.5) A8(1.25,2.5) B5(1.75,2.5) B6(0.75,2.5) B7(-0.75,2.5) B8(-1.75,2.5)
  rect 0.5x1.4 smd: A9B4(2.4,2.5) A12B1(3.2,2.5) B9A4(-2.4,2.5) B12A1(-3.2,2.5)
  oval 1.3x2.3 hole 0.5x1.6: S1(-4.33,1.82) S1(4.33,1.82)
  oval 1.3x2.1 hole 0.5x1.3: S1(-4.33,-2.38) S1(4.33,-2.38)
  round 0.5 hole 0.3: S1(-2,-1) S1(-2,-3) S1(2,-1) S1(2,-3)
  rrect 5x3 smd: S1(0,-2)

## Nets
+3V3: C3.1 C4.1 C5.1 C7.1 C8.1 C9.1 C15.1 C16.1 C17.1 D1.1 D8.2 D10.2 D11.2 R1.1 R2.1 R3.1 R4.1 R5.1 U1.5 U2.2 U2.3 U2.11 U2.17 U2.31 U2.32 U3.1
+5V: C18.1 C100.1 C101.1 C102.1 C103.1 C104.1 C105.1 C106.1 C107.1 C108.1 C109.1 C110.1 C111.1 C112.1 C113.1 C114.1 C115.1 C116.1 C117.1 C118.1 C119.1 C120.1 C121.1 C122.1 C123.1 D4.1 D100.2 D101.2 D102.2 D103.2 D104.2 D105.2 D106.2 D107.2 D108.2 D109.2 D110.2 D111.2 D112.2 D113.2 D114.2 D115.2 D116.2 D117.2 D118.2 D119.2 D120.2 D121.2 D122.2 D123.2 D124.2 D125.2 D126.2 D127.2 D128.2 D129.2 D130.2 D131.2 D132.2 D133.2 D134.2 D135.2 D136.2 D137.2 D138.2 D139.2 D140.2 D141.2 D142.2 D143.2 D144.2 D145.2 D146.2 D147.2 D148.2 D149.2 D150.2 D151.2 D152.2 D153.2 D154.2 D155.2 D156.2 D157.2 D158.2 D159.2 D160.2 D161.2 D162.2 D163.2 D164.2 D165.2 D166.2 D167.2 D168.2 D169.2 D170.2 D171.2 D172.2 D173.2 D174.2 D175.2 D176.2 D177.2 D178.2 D179.2 D180.2 D181.2 D182.2 D183.2 D184.2 D185.2 D186.2 D187.2 D188.2 D189.2 D190.2 D191.2 D192.2 D193.2 D194.2 D195.2 D196.2 D197.2 D198.2 D199.2 D200.2 D201.2 D202.2 D203.2 D204.2 D205.2 D206.2 D207.2 D208.2 D209.2 D210.2 D211.2 D212.2 D213.2 D214.2 D215.2 D216.2 D217.2 D218.2 D219.2 D220.2 D221.2 D222.2 D223.2 D224.2 D225.2 D226.2 D227.2 D228.2 D229.2 D230.2 D231.2 D232.2 D233.2 D234.2 D235.2 D236.2 D237.2 D238.2 D239.2 D240.2 D241.2 D242.2 D243.2 D244.2 D245.2 D246.2 D247.2 D248.2 D249.2 D250.2 D251.2 D252.2 D253.2 D254.2 D255.2 D256.2 D257.2 D258.2 D259.2 D260.2 D261.2 D262.2 D263.2 D264.2 D265.2 D266.2 Q1.3
GND: AE1.2 C1.2 C2.2 C3.2 C4.2 C5.2 C6.2 C7.2 C8.2 C9.2 C11.2 C12.2 C13.2 C14.2 C15.2 C16.2 C17.2 C18.2 C19.1 C20.2 C35.2 C36.2 C37.2 C100.2 C101.2 C102.2 C103.2 C104.2 C105.2 C106.2 C107.2 C108.2 C109.2 C110.2 C111.2 C112.2 C113.2 C114.2 C115.2 C116.2 C117.2 C118.2 C119.2 C120.2 C121.2 C122.2 C123.2 D1.2 D4.2 D5.2 D13.1 D100.3 D101.3 D102.3 D103.3 D104.3 D105.3 D106.3 D107.3 D108.3 D109.3 D110.3 D111.3 D112.3 D113.3 D114.3 D115.3 D116.3 D117.3 D118.3 D119.3 D120.3 D121.3 D122.3 D123.3 D124.3 D125.3 D126.3 D127.3 D128.3 D129.3 D130.3 D131.3 D132.3 D133.3 D134.3 D135.3 D136.3 D137.3 D138.3 D139.3 D140.3 D141.3 D142.3 D143.3 D144.3 D145.3 D146.3 D147.3 D148.3 D149.3 D150.3 D151.3 D152.3 D153.3 D154.3 D155.3 D156.3 D157.3 D158.3 D159.3 D160.3 D161.3 D162.3 D163.3 D164.3 D165.3 D166.3 D167.3 D168.3 D169.3 D170.3 D171.3 D172.3 D173.3 D174.3 D175.3 D176.3 D177.3 D178.3 D179.3 D180.3 D181.3 D182.3 D183.3 D184.3 D185.3 D186.3 D187.3 D188.3 D189.3 D190.3 D191.3 D192.3 D193.3 D194.3 D195.3 D196.3 D197.3 D198.3 D199.3 D200.3 D201.3 D202.3 D203.3 D204.3 D205.3 D206.3 D207.3 D208.3 D209.3 D210.3 D211.3 D212.3 D213.3 D214.3 D215.3 D216.3 D217.3 D218.3 D219.3 D220.3 D221.3 D222.3 D223.3 D224.3 D225.3 D226.3 D227.3 D228.3 D229.3 D230.3 D231.3 D232.3 D233.3 D234.3 D235.3 D236.3 D237.3 D238.3 D239.3 D240.3 D241.3 D242.3 D243.3 D244.3 D245.3 D246.3 D247.3 D248.3 D249.3 D250.3 D251.3 D252.3 D253.3 D254.3 D255.3 D256.3 D257.3 D258.3 D259.3 D260.3 D261.3 D262.3 D263.3 D264.3 D265.3 D266.3 J1.2 Q2.2 R9.2 R13.2 R14.2 R17.2 R22.2 R23.2 R25.2 S1.3 S1.4 S2.3 S2.4 S3.3 S3.4 S4.3 S4.4 U1.2 U2.33 U3.3 U4.A12B1 U4.B12A1 U4.S1 U5.3 X1.2 X1.4
VBUS: C1.1 C2.1 C11.1 C12.1 D5.1 F1.2 J1.1 Q1.2 R12.2 R16.1 U1.1 U1.3 U5.5
VDD_SPI: C6.1 U2.18
/+BRIGHTNESS_BUTTON: S2.1 S2.2 U2.5
/-BRIGHTNESS_BUTTON: S3.1 S3.2 U2.16
/Antenna: C36.1 L1.1 U2.1
/BOOT_IO9_BUTTON: J1.4 R1.2 S1.1 S1.2 U2.15
/D+: U2.26 U4.A6 U4.B6
/D-: U2.25 U4.A7 U4.B7
/LED_DATA_3V3: U2.13 U5.2
/LED_POWER_ENABLE: R17.1 R18.1 U2.12
/MCU_RX: J1.5 U2.27
/MCU_TX: J1.6 R7.1
/MODE_BUTTON: R2.2 S4.1 S4.2 U2.14
/Reset: C14.1 J1.3 R4.2 U2.7
/SCL: R5.2 U2.8 U3.4
/SDA: R3.2 U2.6 U3.6
/SERVER_LED: D9.2 R8.1 U2.9
/WIFI_LED: D12.2 R21.1 U2.10
LED_DATA_5V: D100.4 R15.1 R25.1
Net-(AE1-A): AE1.1 C37.1 D13.2 L1.2
Net-(C13-Pad1): C13.1 D2.2 F1.1 U4.A9B4 U4.B9A4
Net-(C20-Pad1): C20.1 L5.1 X1.1
Net-(D2-Pad1): D2.1 R12.1
Net-(D8-Pad1): D8.1 R9.1
Net-(D9-Pad1): D9.1 R22.1
Net-(D10-Pad1): D10.1 R8.2
Net-(D11-Pad1): D11.1 R21.2
Net-(D12-Pad1): D12.1 R23.1
Net-(D100-DOUT): D100.1 D101.4
Net-(D101-DOUT): D101.1 D102.4
Net-(D102-DOUT): D102.1 D103.4
Net-(D103-DOUT): D103.1 D104.4
Net-(D104-DOUT): D104.1 D105.4
Net-(D105-DOUT): D105.1 D106.4
Net-(D106-DOUT): D106.1 D107.4
Net-(D107-DOUT): D107.1 D108.4
Net-(D108-DOUT): D108.1 D109.4
Net-(D109-DOUT): D109.1 D110.4
Net-(D110-DOUT): D110.1 D111.4
Net-(D111-DOUT): D111.1 D112.4
Net-(D112-DOUT): D112.1 D113.4
Net-(D113-DOUT): D113.1 D114.4
Net-(D114-DOUT): D114.1 D115.4
Net-(D115-DOUT): D115.1 D116.4
Net-(D116-DOUT): D116.1 D117.4
Net-(D117-DOUT): D117.1 D118.4
Net-(D118-DOUT): D118.1 D119.4
Net-(D119-DOUT): D119.1 D120.4
Net-(D120-DOUT): D120.1 D121.4
Net-(D121-DOUT): D121.1 D122.4
Net-(D122-DOUT): D122.1 D123.4
Net-(D123-DOUT): D123.1 D124.4
Net-(D124-DOUT): D124.1 D125.4
Net-(D125-DOUT): D125.1 D126.4
Net-(D126-DOUT): D126.1 D127.4
Net-(D127-DOUT): D127.1 D128.4
Net-(D128-DOUT): D128.1 D129.4
Net-(D129-DOUT): D129.1 D130.4
Net-(D130-DOUT): D130.1 D131.4
Net-(D131-DOUT): D131.1 D132.4
Net-(D132-DOUT): D132.1 D133.4
Net-(D133-DOUT): D133.1 D134.4
Net-(D134-DOUT): D134.1 D135.4
Net-(D135-DOUT): D135.1 D136.4
Net-(D136-DOUT): D136.1 D137.4
Net-(D137-DOUT): D137.1 D138.4
